# Altium PCB motor_42.PcbDoc (continued)
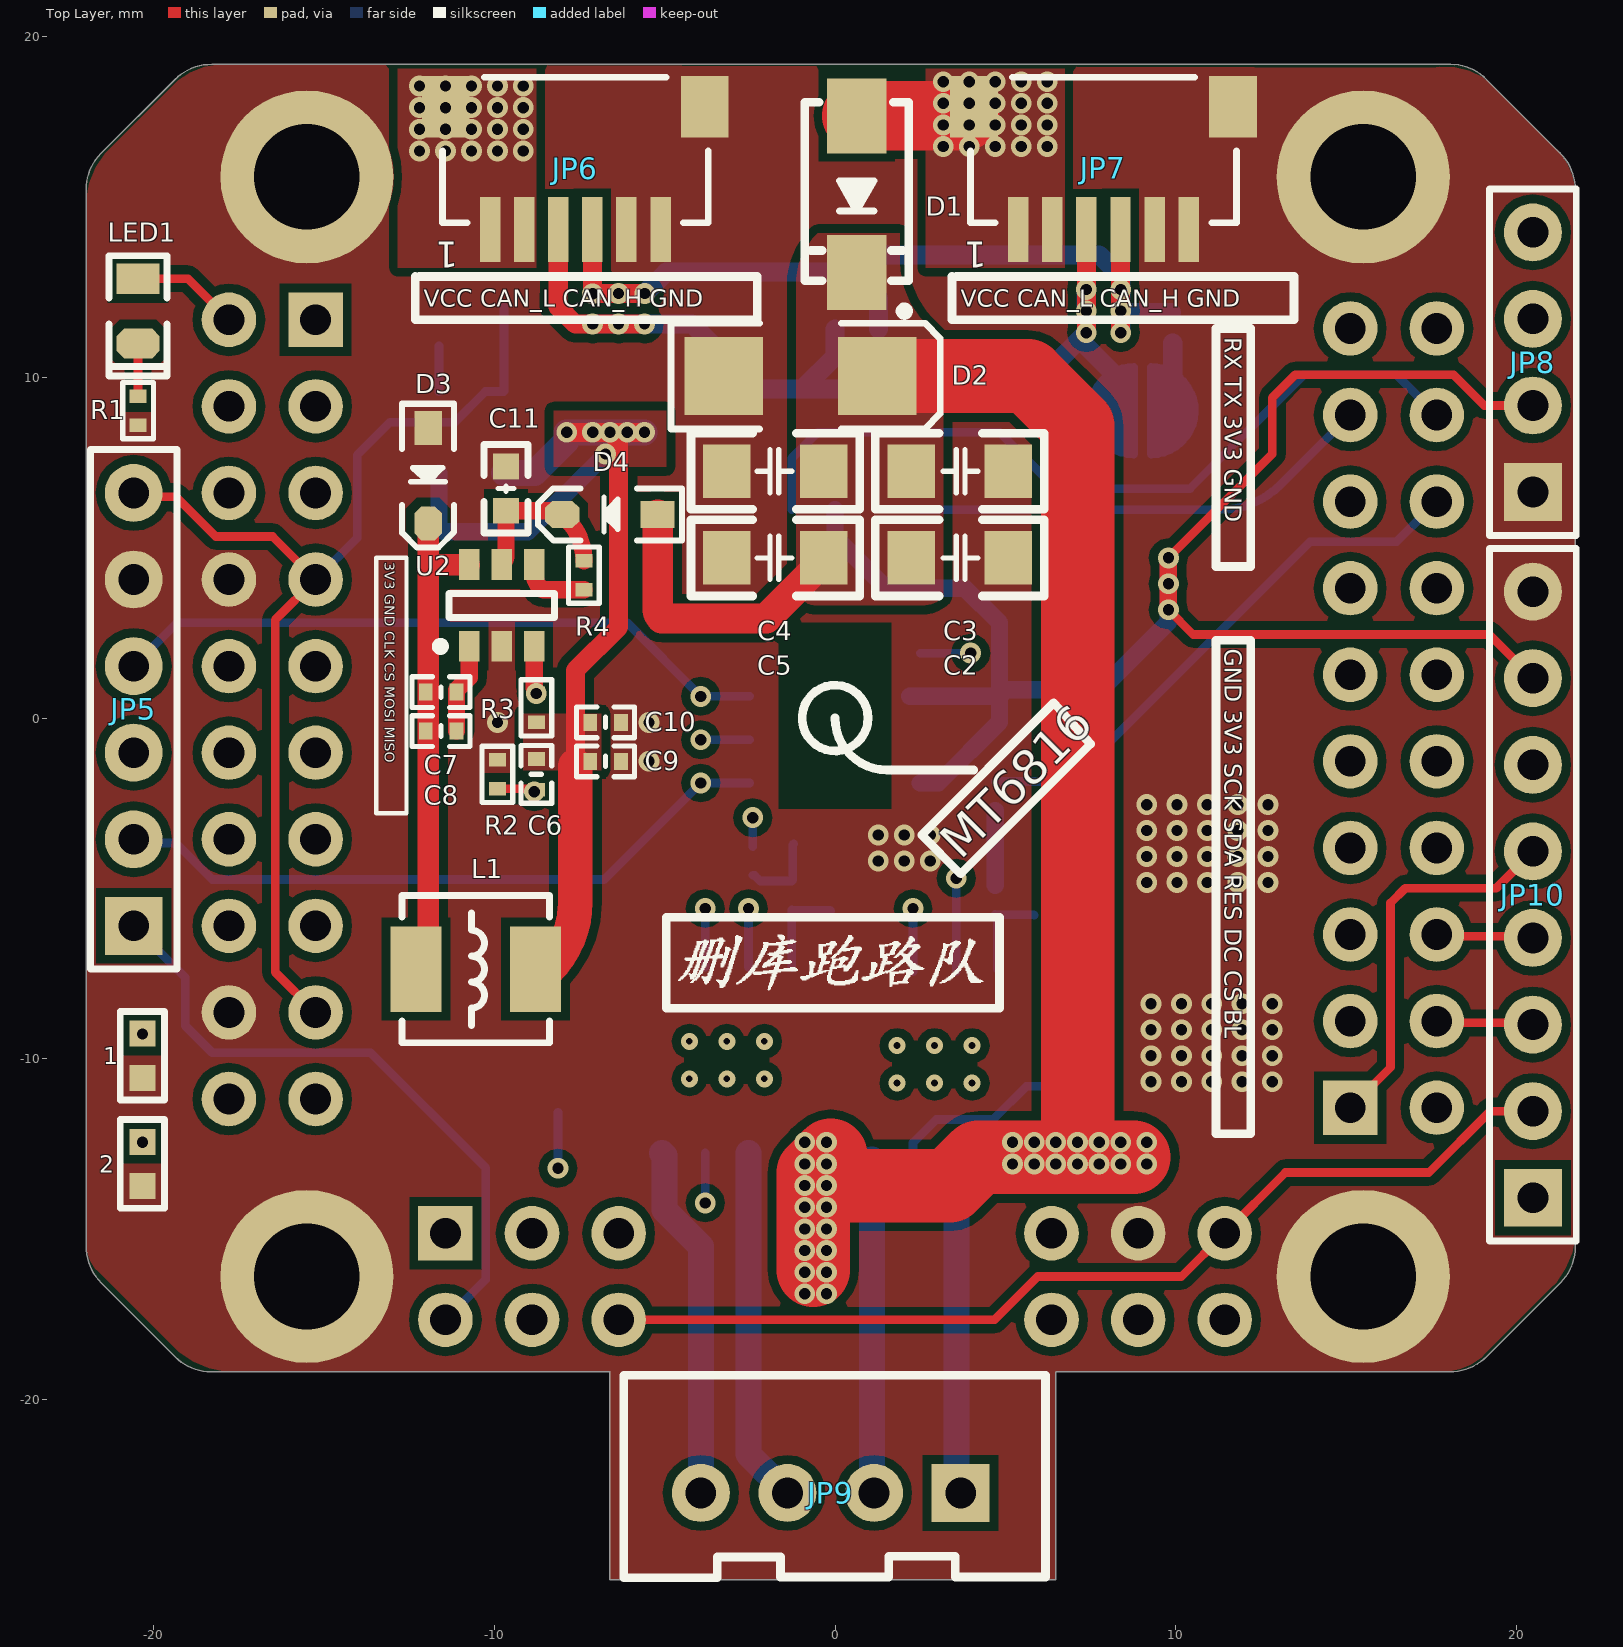
[diagram p0: Top Layer view]
## Design rules (kind name [scope] priority, off if disabled: settings)
Clearance [All] p1: gap=0.254 ignorepadtopadclearanceinfootprint=FALSE except(0: Arc-Hole Track-Hole SMDPad-Hole THPad-Hole Via-Hole Fill-Hole Poly-Hole Region-Hole Text-Hole)
PolygonConnect PolygonConnect_16 [All vs IsNamedPolygon('Signal2-GND')] p1: connectstyle=Direct reliefconductorwidth=0.254 reliefentries=4 polygonreliefangle="90 Angle" airgapwidth=0.254
PolygonConnect PolygonConnect_15 [All vs IsNamedPolygon('Top Layer-GND 1')] p2: connectstyle=Direct reliefconductorwidth=0.254 reliefentries=4 polygonreliefangle="90 Angle" airgapwidth=0.254
PolygonConnect PolygonConnect_14 [All vs IsNamedPolygon('Bottom Layer-GND')] p3: connectstyle=Direct reliefconductorwidth=0.254 reliefentries=4 polygonreliefangle="90 Angle" airgapwidth=0.254
PolygonConnect PolygonConnect_13 [All vs IsNamedPolygon('GND3-GND')] p4: connectstyle=Direct reliefconductorwidth=0.254 reliefentries=4 polygonreliefangle="90 Angle" airgapwidth=0.254
PolygonConnect PolygonConnect_12 [All vs IsNamedPolygon('Bottom Layer-VCC 1')] p5: connectstyle=Direct reliefconductorwidth=0.254 reliefentries=4 polygonreliefangle="90 Angle" airgapwidth=0.254
PolygonConnect PolygonConnect_11 [All vs IsNamedPolygon('Bottom Layer-VCC')] p6: connectstyle=Direct reliefconductorwidth=0.254 reliefentries=4 polygonreliefangle="90 Angle" airgapwidth=0.254
PolygonConnect PolygonConnect_10 [All vs IsNamedPolygon('Top Layer-5V 1')] p7: connectstyle=Direct reliefconductorwidth=0.254 reliefentries=4 polygonreliefangle="90 Angle" airgapwidth=0.254
PolygonConnect PolygonConnect_9 [All vs IsNamedPolygon('Top Layer-5V 1')] p8: connectstyle=Direct reliefconductorwidth=0.254 reliefentries=4 polygonreliefangle="90 Angle" airgapwidth=0.254
PolygonConnect PolygonConnect_8 [All vs IsNamedPolygon('Bottom Layer-VCC_IN')] p9: connectstyle=Direct reliefconductorwidth=0.254 reliefentries=4 polygonreliefangle="90 Angle" airgapwidth=0.254
PolygonConnect PolygonConnect_7 [All vs IsNamedPolygon('Top Layer-3V3')] p10: connectstyle=Direct reliefconductorwidth=0.254 reliefentries=4 polygonreliefangle="90 Angle" airgapwidth=0.254
PolygonConnect PolygonConnect_6 [All vs IsNamedPolygon('Top Layer-5V')] p11: connectstyle=Direct reliefconductorwidth=0.254 reliefentries=4 polygonreliefangle="90 Angle" airgapwidth=0.254
PolygonConnect PolygonConnect_5 [All vs IsNamedPolygon('Top Layer-GND 2')] p12: connectstyle=Direct reliefconductorwidth=0.254 reliefentries=4 polygonreliefangle="90 Angle" airgapwidth=0.254
PolygonConnect PolygonConnect_4 [All vs IsNamedPolygon('Top Layer-GND 1')] p13: connectstyle=Direct reliefconductorwidth=0.254 reliefentries=4 polygonreliefangle="90 Angle" airgapwidth=0.254
PolygonConnect PolygonConnect_3 [All vs IsNamedPolygon('VCC')] p14: connectstyle=Direct reliefconductorwidth=0.254 reliefentries=4 polygonreliefangle="90 Angle" airgapwidth=0.254
PolygonConnect PolygonConnect_2 [All vs IsNamedPolygon('GND3-GND')] p15: connectstyle=Direct reliefconductorwidth=0.254 reliefentries=4 polygonreliefangle="90 Angle" airgapwidth=0.254
PolygonConnect PolygonConnect_1 [All vs IsNamedPolygon('Top Layer-GND')] p16: connectstyle=Direct reliefconductorwidth=0.254 reliefentries=4 polygonreliefangle="90 Angle" airgapwidth=0.254
PolygonConnect [All] p17: connectstyle=Relief reliefconductorwidth=0.254 reliefentries=4 polygonreliefangle="90 Angle" airgapwidth=0.254
RoutingVias [All] p1: holewidth=0.711 width=1.27 viastyle="Through Hole" minholewidth=0.711 minwidth=1.27 maxholewidth=0.711 maxwidth=1.27
SolderMaskExpansion [All] p1: expansion=0.102
Width [All] p1: maxlimit=2.54 minlimit=0.254 preferedwidth=0.254
30 further rules are at their usual default settings.

## Components (designator, comment, footprint, x,y, rotation, side; value= is the part's Value field where it differs from the comment)
1 "0R" R0603_L -20.32,-9.906 r90 top (schematic designator R12(NC))
2 "0R" R0603_L -20.32,-13.081 r90 top (schematic designator R13NC)
C1 "0.1uF" C0805_L 6.858,1.778 r90 bottom
C2 "100uF" C1206_L 3.683,4.699 r180 top
C3 "100uF" C1206_L 3.683,7.239 r180 top
C4 "100uF" C1206_L -1.778,7.239 r0 top
C5 "100uF" C1206_L -1.778,4.699 r0 top
C6 "100pF" C0402_L -8.763,-1.651 r90 top
C7 "0.1uF" C0402_L -11.557,0.762 r0 top
C8 "0.1uF" C0402_L -11.557,-0.381 r0 top
C9 "0.1uF" C0402_L -6.731,-1.27 r0 top
C10 "10uF" C0402_L -6.731,-0.127 r180 top
C11 "10uF/50V" C0603_L -9.652,6.731 r270 top
C12 "0.1uF" C0402_L -10.16,10.922 r0 bottom
C13 "10uF" C0402_L -10.16,12.065 r0 bottom
C14 "10nF" C0402_L -12.065,10.922 r0 bottom
C15 "0.1uF" C0402_L -0.762,-3.683 r180 bottom
C16 "0.1uF" C0402_L -0.127,-5.207 r270 bottom
C17 "0.1uF" C0402_L 5.08,-3.81 r180 bottom
C18 "0.1uF" C0402_L 5.842,-5.334 r270 bottom
D1 "SS54" SMA 0.635,15.367 r270 top
D2 "SMBJ28CA" SMB -1.016,10.033 r0 top
D3 "二极管-5819W" SOD-323 -11.938,7.112 r270 top
D4 "二极管-5819W" SOD-323 -6.604,5.969 r180 top
DE1 "DEBUG PAD" DEBUG_A 9.017,9.017 r180 bottom
JP1 "Header 2X10" HDR2.54-LI-2x10P#1 -16.51,0.254 r270 bottom
JP2 "Header 2X10" HDR2.54-LI-2x10P#2 0,-16.383 r0 bottom
JP3 "Header 2X10" HDR2.54-LI-2x10P#1 16.383,0 r90 bottom
JP5 "HDR-1X6" HDR2.54-LI-6P -20.574,0.254 r90 top
JP6 "HDR-1X6" SH1.0-WT-6P -7.62,16.129 r180 top
JP7 "HDR-1X6" SH1.0-WT-6P 7.874,16.129 r180 top
JP8 "HDR-1X4" HDR2.54-LI-4P 20.472,10.439 r90 top
JP9 "HDR-1X4" XH2.54-LI-4P -0.127,-22.733 r180 top
JP10 "HDR-1X8" HDR2.54-M-LI-8P 20.472,-5.182 r90 top
L1 "6.8uH" L-SMD-0420 -10.541,-7.366 r0 top
LED1 "BLINK" LED0805_G -20.447,11.938 r270 top
R1 "1K" R0402_L -20.447,9.017 r270 top
R2 "1.8K" R0402_L -9.906,-1.651 r270 top
R3 "10K" R0402_L -8.763,0.298 r270 top
R4 "1M" R0402_L -7.366,4.191 r90 top
R5 "120R" R0402_L 9.906,11.43 r270 bottom
R6 "1K" R0402_L -2.413,-4.191 r270 bottom
R7 "1K" R0402_L -1.27,-5.207 r270 bottom
R8 "1K" R0402_L 4.699,-2.286 r270 bottom
R9 "1K" R0402_L 4.699,-5.334 r270 bottom
R10 "0.1R" R1206_L -8.128,-10.16 r90 bottom
R11 "0.1R" R1206_L 7.239,-9.398 r90 bottom
U1 "MT6816" SOP8_L 0,0 r180 bottom
U2 "ME3116" SOT23-6 -9.779,3.302 r90 top
U3 "LP2992" SOT23-5 -10.668,8.382 r90 bottom
U4 "SN65HVD232D" SOIC-8 0.635,8.763 r90 bottom
U5 "TB67H450FNG" HSOP-8 -3.175,-10.033 r270 bottom
U6 "TB67H450FNG" HSOP-8 2.921,-10.16 r270 bottom

## Footprints (in the part's own frame and the unit in brackets; to place one, negate y for a bottom-side part, rotate by r counter-clockwise, add the part's x,y. Pads: shape width x height; smd on the part's side, far side on the other; paste and mask are expansions set on the pad)
C0402_L [mm] "贴片MLCC电容"
  rect 0.4x0.5 smd: 1(-0.45,0) 2(0.45,0)
  silkscreen extent -0.85,-0.45 0.85,0.45, body extent -0.5,-0.26 0.5,0.26, height 0.54
C0603_L [mil] "贴片MLCC电容"
  rect 30x30 smd: 1(-25.59,0) 2(25.59,0)
  silkscreen extent -51,-26 51,26, body extent -31,-16 32,16, height 33
C0805_L [mil] "贴片MLCC电容"
  rect 35x50 smd: 1(-37.4,0) 2(37.4,0)
  silkscreen extent -67,-36 67,36, body extent -39,-24 39,24, height 22
C1206_L [mil] "贴片MLCC电容"
  rect 55x62 smd: 1(-55.12,0) 2(57.09,0)
  silkscreen extent -96,-44 98,44, body extent -63,-32 63,32, height 50
DEBUG_A [mm] "调试断点焊盘"
  round 1 smd paste-1: 1(-0.889,0) 2(0.889,0)
  Top Layer region: -0.254,1.27 -0.254,-1.27 -0.762,-1.143 -1.397,-0.508 -1.524,0.254 -1.27,0.762 -1.016,1.016 -0.508,1.27
  Top Layer region: 0.254,1.27 0.254,-1.27 0.762,-1.143 1.397,-0.508 1.524,0.254 1.27,0.762 1.016,1.016 0.508,1.27
  Top Layer lines w0.254: 0.889,1.1 cw(c0.254,0) 0.254,-1.27 0.254,1.27 cw(c0.254,0) 0.889,1.1 ; -0.254,-1.27 cw(c-0.254,0) -0.889,1.1 cw(c-0.254,0) -0.254,1.27 -0.254,-1.27
HDR2.54-LI-2x10P#1 [mm] "双排排针，10x2脚"
  rect 1.6x1.6 hole 0.9: 1(-11.43,-1.27)
  round 1.6 hole 0.9: 2(-11.43,1.27) 3(-8.89,-1.27) 4(-8.89,1.27) 5(-6.35,-1.27) 6(-6.35,1.27) 7(-3.81,-1.27) 8(-3.81,1.27) 9(-1.27,-1.27) 10(-1.27,1.27) 11(1.27,-1.27) 12(1.27,1.27) 13(3.81,-1.27) 14(3.81,1.27) 15(6.35,-1.27) 16(6.35,1.27) 17(8.89,-1.27) 18(8.89,1.27) 19(11.43,-1.27) 20(11.43,1.27)
  silkscreen extent -12.7,-2.54 12.7,2.54
HDR2.54-LI-2x10P#2 [mm] "双排排针，10x2脚"
  rect 1.6x1.6 hole 0.9: 1(-11.43,-1.27)
  round 1.6 hole 0.9: 2(-11.43,1.27) 3(-8.89,-1.27) 4(-8.89,1.27) 5(-6.35,-1.27) 6(-6.35,1.27) 15(6.35,-1.27) 16(6.35,1.27) 17(8.89,-1.27) 18(8.89,1.27) 19(11.43,-1.27) 20(11.43,1.27)
  silkscreen extent -12.7,-2.54 12.7,2.54
HDR2.54-LI-4P [mm] "排针，4脚"
  rect 1.7x1.7 hole 0.9: 1(-3.81,0)
  round 1.7 hole 0.9: 2(-1.27,0) 3(1.27,0) 4(3.81,0)
  silkscreen extent -5.08,-1.27 5.08,1.27
HDR2.54-LI-6P [mm] "排针，6脚                        联系卖家 免费查找封装"
  rect 1.7x1.7 hole 0.9: 1(-6.35,0)
  round 1.7 hole 0.9: 2(-3.81,0) 3(-1.27,0) 4(1.27,0) 5(3.81,0) 6(6.35,0)
  silkscreen extent -7.62,-1.27 7.62,1.27
HDR2.54-M-LI-8P [mm] "排母，8脚"
  rect 1.7x1.7 hole 0.9: 1(-8.89,0)
  round 1.7 hole 0.9: 2(-6.35,0) 3(-3.81,0) 4(-1.27,0) 5(1.27,0) 6(3.81,0) 7(6.35,0) 8(8.89,0)
  silkscreen extent -10.16,-1.27 10.16,1.27
HSOP-8 [mm] "SOP, 8-Leads, Body 4.90x3.90mm, Pitch 1.27mm, Thermal Pad 3.20x2.39mm, IPC Medium Density"
  oval 1.45x0.6 smd: 1(-2.725,1.905) 2(-2.725,0.635) 3(-2.725,-0.635) 4(-2.725,-1.905) 5(2.725,-1.905) 6(2.725,-0.635) 7(2.725,0.635) 8(2.725,1.905)
  rect 2.39x3.2 smd: 9(0,0)
  silkscreen extent -2.85,-2.5 1.6,2.88, body extent -2,-2.5 2,2.5, height 1.7
L-SMD-0420 [mm] "一体化成型电感                联系Â"
  rect 1.5x2.5 smd: 1(-1.75,0) 2(1.75,0)
  silkscreen extent -2.16,-2.16 2.16,2.16, body extent -2.25,-2.05 2.25,2.05
LED0805_G [mil] "绿色0805LED            联系卖家 免费查找封装"
  rect 35x50 smd: 1(-37.4,0)
  oct 35x50 smd: 2(37.4,0)
  silkscreen extent -64,-33 75,33, body extent -39,-25 39,25, height 32
R0402_L [mm] "1/16W贴片电阻"
  rect 0.4x0.5 smd: 1(-0.425,0) 2(0.425,0)
  silkscreen extent -0.82,-0.45 0.83,0.45, body extent -0.5,-0.25 0.5,0.25, height 0.3
R0603_L [mil] "1/10W贴片电阻"
  rect 30x30 smd: 1(-25.59,0) 2(25.59,0)
  silkscreen extent -51,-26 51,26, body extent -31,-16 32,16, height 16
R1206_L [mil] "1/4W贴片电阻"
  rect 55x62 smd: 1(-55.12,0) 2(57.09,0)
  silkscreen extent -96,-44 98,44, body extent -63,-31 63,31, height 22
SH1.0-WT-6P [mm] "SH1.0连接器-卧贴-6P                 联系卖家 免费查找封装"
  rect 1.4x1.8 smd: 0(-3.8,-1.8) 0(3.8,-1.8)
  rect 0.6x1.9 smd: 1(2.5,1.8) 2(1.5,1.8) 3(0.5,1.8) 4(-0.5,1.8) 5(-1.5,1.8) 6(-2.5,1.8)
  silkscreen extent -3.9,-2.67 3.9,1.6, body extent -4,-2.6 4,2.35, height 2.9
SMA [mm] "4.5x2.6*2.2mm（长宽高，不包括引脚）联系卖家 免费查找封装"
  rect 2.2x1.75 smd: 1(-2.3,0) 2(2.3,0)
  silkscreen extent -2.7,-1.52 3.56,1.52, body extent -2.55,-1.3 2.55,1.3, height 2.15
SMB [mm] "DO-214-AA/SMB; 2 C-Bend Leads; Body 5.3 x 3.6 mm, inc. leads (LxW)"
  rect 2.3x2.3 smd: 1(-2.25,0) 2(2.25,0)
  silkscreen extent -3.8,-1.55 4.1,1.55
SOD-323 [mm] "1.8x1.3X0.9mm（长宽高，不包括引脚）联系卖家 免费查找封装"
  rect 1x0.8 smd: 1(-1.4,0)
  oct 1x0.8 smd: 2(1.4,0)
  silkscreen extent -2.11,-0.76 2.11,0.76, body extent -1.32,-0.65 1.32,0.65, height 0.95
SOIC-8 [mm]
  oval 2.2x0.6 smd: 1(-2.654,1.905) 2(-2.654,0.635) 3(-2.654,-0.635) 4(-2.654,-1.905) 5(2.654,-1.905) 6(2.654,-0.635) 7(2.654,0.635) 8(2.654,1.905)
  silkscreen extent -2.06,-2.5 1.27,3.2, body extent -3,-2.5 3,2.5, height 1.9
SOP8_L [mil] "5*6*1.8mm（长宽高）"
  rect 65x23 smd: 1(-98.43,75)
  oval 65x23 smd: 2(-98.43,25) 3(-98.43,-25) 4(-98.43,-75) 5(98.43,-75) 6(98.43,-25) 7(98.43,25) 8(98.43,75)
  silkscreen extent -106,-98 60,126, body extent -118,-98 118,98, height 75
SOT23-5 [mm] "SOT23, 5-Leads, Body 2.9x1.6mm, Pitch 0.95mm, IPC Medium Density                联系卖家 免费查找封装"
  rect 1.05x0.6 smd: 1(-1.2,0.95) 2(-1.2,0) 3(-1.2,-0.95) 4(1.2,-0.95) 5(1.2,0.95)
  silkscreen extent -1.32,-1.55 0.3,1.93, body extent -1.4,-1.5 1.4,1.5, height 1.15
SOT23-6 [mm] "SOT-23, 6-Leads, Body 2.90x1.60mm, Pitch 0.95mm, IPC High Density"
  rect 0.9x0.6 smd: 1(-1.2,0.95) 2(-1.2,0) 3(-1.2,-0.95) 4(1.2,-0.95) 5(1.2,0) 6(1.2,0.95)
  silkscreen extent -1.32,-1.55 0.35,1.92, body extent -1.4,-1.5 1.4,1.5, height 1.15
XH2.54-LI-4P [mm] "接插件，4P"
  rect 1.7x1.7 hole 0.9: 1(-3.81,0)
  round 1.7 hole 0.9: 2(-1.27,0) 3(1.27,0) 4(3.81,0)
  silkscreen extent -6.3,-3.45 6.07,2.49, body extent -6.31,-3.3 6.31,2.4, height 7.05

## Part data
1 2 R1 R2 R3 R4 R5 R6 R7 R8 R9 R10 R11: library part R, "贴片电阻"
C1 C2 C3 C4 C5 C6 C7 C8 C9 C10 C12 C13 C14 C15 C16 C17 C18: library part C, "贴片电容/MLCC电容"
C11: library part C, "陶瓷电容"
D1: library part Diode_SMA, "Diode"
D3 D4: "40V"
DE1: library part DEBUG, "调试断点焊盘"
JP1 JP2 JP3: library part "Header 10X2", "10*2P接插件"
JP5: library part "Header 6", "6P接插件"
JP6 JP7: library part "Header 6", "6P连接器"
JP8 JP9: library part "Header 4", "4P接插件"
JP10: library part "Header 8", "8P接插件"
L1: library part "L-Molding Choke", "一体成型电感"
LED1: library part LED-SMD, "贴片LED"
U4: Manufacturer="Texas Instruments", Manufacturer Part Number=SN65HVD232DR, Operating Temperature="-40°C ~ 85?", Package / Case="8-SOIC (0.154\", 3.90mm Width)", Supplier Device Package=8-SOIC, Supplier Part Number 1=296-26344-2-ND, Voltage - Supply="3 V ~ 3.6 V", Category="Integrated Circuits (ICs)", ComponentLink1Description=http://www.ti.com/lit/ds/symlink/sn65hvd230.pdf, ComponentLink1URL=http://www.ti.com/lit/ds/symlink/sn65hvd230.pdf, Data Rate=1Mbps, Duplex=Half, Mounting Type="Surface Mount", Number of Drivers/Receivers=1/1, Packaging="Tape & Reel (TR)", Part Status=Active, Pricing 1="2500=0.84375 (USD)", Pricing 2="1=2.05, 10=1.842, 100=1.4809, 500=1.21668, 1000=1.00811 (USD)", Protocol=CAN, RoHS="RoHS Compliant", Stock=5000, Supplier 1=Digi-Key, Supplier 2=Digi-Key, Supplier Part Number 2=296-26344-1-ND, Type=Transceiver

## Free pads (board coordinates)
  round 5.08 hole 3.1: ""(-15.494,-16.383) ""(-15.494,15.875) ""(15.494,-16.383) ""(15.494,15.875)

## Via types
v1: diameter 0.61, hole 0.33, Top Layer to Bottom Layer, tented both sides, 155 vias
v2: diameter 0.5, hole 0.2, Top Layer to Bottom Layer, 12 vias

## Nets (pads, with @x,y where several pads share a name; then routed paths per layer and width w, separated by ;. In a path a pad name is that pad's centre, name@x,y a point inside that pad or via, vN(x,y) a via of type N, cw(c..) or ccw(c..) an arc to the next point about the centre after c; other vN are vias at no path point)
3V3: C1.1 C12.2 C13.2 JP1.7 JP1.17 JP5.6 JP8.2 JP10.7 U1.2 U1.4 U3.5 U4.3 | length 110
  Top Layer w0.254: JP5.6 -20.467,6.497 -19.343,6.497 -18.171,5.324 -16.5,5.324 JP1.7 -16.421,2.883 -16.421,-7.455 JP1.17 ; v1(9.779,3.175) 10.503,2.451 19.19,2.451 JP10.7 ; v1(9.779,4.699) 12.827,7.747 12.827,9.398 13.5,10.071 18.142,10.071 19.044,9.169 JP8.2
  Top Layer w0.508: v1(9.779,3.175) v1(9.779,3.937) v1(9.779,4.699)
  GND3 w0.762: JP1.7 -14.986,4.064 -13.462,5.588 3.302,5.588 4.953,3.937 v1(9.779,3.937) ; v1(9.779,3.175) v1(9.779,3.937) ; v1(9.779,4.699) v1(9.779,3.937)
  Bottom Layer w0.254: JP1.7 -14.021,5.283 -14.021,7.714 -13.059,8.676 -11.16,8.676 -10.254,9.582 U3.5 -9.714,9.586 -9.714,12.061 C13.2
  Bottom Layer w0.508: U4.3 0,5.309 1.499,3.81 3.81,3.81 4.826,2.794 4.826,0.635 ; U1.2@2.195,0.635 U1.2 4.826,0.635 ; U1.4 3.033,-1.905 4.826,-0.112 4.826,0.635 ; v1(9.779,4.699) v1(9.779,3.937) v1(9.779,3.175) 9.779,2.812 7.795,0.828 C1.1 5.019,0.828 4.826,0.635
5V: C6.2 C9.1 C10.2 L1.2 R3.2 U3.1 U3.3 | length 32.3
  Top Layer w0.559: L1.2 L1.2@-8.618,-7.193 ; v1(-7.874,8.382) v1(-7.112,8.382) v1(-6.604,8.382) ; -7.62,-1.397 -7.62,1.397 -6.35,2.667 -6.35,8.128 v1(-6.604,8.382) ; v1(-5.588,8.382) v1(-6.096,8.382) v1(-6.604,8.382)
  Top Layer w1.016: L1.2@-8.438,-7.373 ccw(c-10.414,-5.397) -7.62,-5.397 -7.62,-1.397
  Bottom Layer w0.508: U3.3 -11.618,5.61 -11.469,5.461 -9.017,5.461 v1(-6.731,7.747) v1(-6.096,8.382)
  Bottom Layer w0.762: U3.1 -8.82,7.182 -7.874,8.128 v1(-7.874,8.382) v1(-7.112,8.382) v1(-6.604,8.382) v1(-6.096,8.382) v1(-5.588,8.382)
BOOT1: JP2.5
BUTTON1: 1.2 JP1.16 | length 4.2
  Signal2 w0.254: v1(-20.32,-9.271) -20.32,-8.636 JP1.16
BUTTON2: 2.2 JP1.15 | length 9.4
  Signal2 w0.254: v1(-20.32,-12.446) -20.32,-10.795 -19.05,-9.525 -19.05,-8.236 -18.091,-7.277 -16.421,-7.277 JP1.15
CAN_H: JP6.4 JP7.4 R5.1 U4.7 | length 27.9
  Top Layer w0.254: v1@8.374,11.311 v1(8.382,11.303)
  Top Layer w0.559: JP6.4 v1@-7.12,12.454 ; v1(-7.112,12.446) v1@-7.12,12.454 ; v1(-5.58,12.454) v1(-6.35,12.454) v1@-7.12,12.454 ; v1@8.374,11.311 JP7.4
  Bottom Layer w0.254: v1(8.382,11.938) v1@8.424,11.896 ; R5.1@9.864,11.896 R5.1
  Bottom Layer w0.559: v1(-7.112,12.446) -7.108,12.45 -5.584,12.45 v1(-5.58,12.454) -4.953,13.081 0.508,13.081 ; U4.7 1.27,12.311 0.845,12.736 0.845,12.744 0.508,13.081 ; v1(8.382,11.303) v1(8.382,11.938) v1(8.382,12.573) 8.382,12.954 7.747,13.589 1.016,13.589 0.508,13.081 ; v1@8.424,11.896 R5.1@9.864,11.896
CAN_L: DE1.2 JP6.3 JP7.3 U4.6 | length 30
  Top Layer w0.254: v1(7.366,11.303) v1@7.374,11.311
  Top Layer w0.559: JP6.3 -8.12,12.454 -8.128,12.446 -8.128,12.065 -7.62,11.557 v1(-7.112,11.557) v1(-6.35,11.557) v1(-5.588,11.557) ; v1@7.374,11.311 JP7.3
  Bottom Layer w0.254: 7.366,10.911 v1(7.366,11.303) v1(7.366,11.938) ; DE1.2 8.128,10.117 8.128,10.149
  Bottom Layer w0.559: v1(-7.112,11.557) v1(-6.35,11.557) v1(-5.588,11.557) -4.191,11.557 -2.286,9.652 -0.965,9.652 ; U4.6 0,10.617 -0.965,9.652 ; 7.366,10.911 8.128,10.149 ; v1(7.366,11.303) 5.715,9.652 -0.965,9.652 ; v1(7.366,11.938) v1(7.366,12.573)
CAN_RX: JP3.18 U4.4 | length 23.3
  Bottom Layer w0.254: U4.4 -1.27,7.62 -0.508,8.382 4.826,8.382 6.477,6.731 10.414,6.731 13.754,10.071 16.472,10.071 JP3.18
CAN_TX: JP3.17 U4.1 | length 13.6
  Bottom Layer w0.254: U4.1 11.28,6.109 ccw(c11.28,8.649) 13.076,6.853 JP3.17
GND: 1.1 2.1 C1.2 C2.1 C3.1 C4.1 C5.1 C9.2 C10.1 C11.1 C12.1 C13.1 C14.1 C15.1 C16.1 C17.1 C18.1 D2.1 D3.1 JP1.8 JP1.18 JP2.17 JP5.5 JP6.0@-3.82,17.929 JP6.5 JP6.6 JP7.0@11.674,17.929 JP7.5 JP7.6 JP8.1 JP10.8 pad. R1.2 R2.1 R10.2 R11.2 U1.8 U2.2 U3.2 U4.2 U5.1 U6.1
  other v1: 9.271,-10.668 10.16,-10.668 11.049,-10.668 11.938,-10.668 12.827,-10.668 9.271,-9.906 10.16,-9.906 11.049,-9.906 11.938,-9.906 12.827,-9.906 9.271,-9.144 10.16,-9.144 11.049,-9.144 11.938,-9.144 12.827,-9.144 9.271,-8.382 10.16,-8.382 11.049,-8.382 11.938,-8.382 12.827,-8.382 9.144,-4.826 10.033,-4.826 10.922,-4.826 11.811,-4.826 12.7,-4.826 1.27,-4.191 2.032,-4.191 2.794,-4.191 9.144,-4.064 10.033,-4.064 10.922,-4.064 11.811,-4.064 12.7,-4.064 1.27,-3.429 2.032,-3.429 2.794,-3.429 9.144,-3.302 10.033,-3.302 10.922,-3.302 11.811,-3.302 12.7,-3.302 9.144,-2.54 10.033,-2.54 10.922,-2.54 11.811,-2.54 12.7,-2.54 -5.461,-1.27 -9.906,-0.127 -5.461,-0.127
IN_AM: JP3.3 U5.2 | length 22.5
  Signal2 w0.254: v1(-3.81,-5.588) -3.81,-6.35 -2.794,-7.366 13.589,-7.366 JP3.3
  Bottom Layer w0.254: U5.2 v1(-3.81,-5.588)
IN_AP: JP3.5 U5.3 | length 19.7
  Signal2 w0.254: v1(-2.54,-5.588) -1.778,-6.35 JP3.5
  Bottom Layer w0.254: U5.3 v1(-2.54,-5.588)
IN_BM: JP3.7 U6.2 | length 15.4
  Signal2 w0.254: v1(2.286,-5.588) 13.335,-5.588 JP3.7
  Bottom Layer w0.254: U6.2 v1(2.286,-5.588)
IN_BP: JP3.9 U6.3 | length 15.8
  Signal2 w0.254: v1(3.556,-4.699) 4.826,-4.699 8.255,-1.27 JP3.9
  Bottom Layer w0.254: U6.3 v1(3.556,-4.699) v1@3.556,-4.572
MT_CLK: JP1.19 JP5.4 U1.7 | length 38.2
  Signal2 w0.254: JP1.19 -14.478,-11.176 -9.509,-6.207 -9.509,-1.877 -6.997,0.635 v1(-3.937,0.635)
  Bottom Layer w0.254: JP5.4 -19.304,2.794 -6.096,2.794 v1(-3.937,0.635) U1.7
MT_CS: JP1.20 JP5.3 U1.1 | length 43.5
  Signal2 w0.254: JP5.3 -19.393,-2.197 -10.535,-2.197 ; JP1.20 -16.599,-9.995 -14.313,-9.995 -12.446,-8.128 -12.446,-4.108 -10.535,-2.197 ; v1(3.977,1.905) 1.564,4.318 -4.032,4.318 -10.535,-2.185 -10.535,-2.197
  Bottom Layer w0.254: U1.1 v1(3.977,1.905)
MT_MISO: JP2.2 JP5.1 U1.6 | length 41.2
  Signal2 w0.254: JP2.2 -10.095,-16.318 -10.095,-10.73 -3.251,-3.886 -3.251,-1.321 v1(-3.937,-0.635)
  Bottom Layer w0.254: JP5.1 -19.06,-7.61 -19.06,-9.026 -18.269,-9.817 -13.627,-9.817 -10.249,-13.195 -10.249,-16.472 JP2.2 ; v1(-3.937,-0.635) U1.6
MT_MOSI: JP2.1 JP5.2 U1.5 | length 36
  Signal2 w0.254: JP2.1 -11.43,-10.97 -3.937,-3.477 v1(-3.937,-1.905)
  Bottom Layer w0.254: JP5.2 -20.467,-3.663 -19.343,-3.663 -18.269,-4.737 -6.769,-4.737 v1(-3.937,-1.905) U1.5
NetC6_1: C6.1 R2.2 R3.1 U2.3 | length 5.5
  Top Layer w0.254: R2.2 -8.823,-2.076 cw(c-8.823,-2.161) C6.1 ; R3.1@-8.829,0.882 ccw(c-8.604,0.882) v1(-8.763,0.723)
  Top Layer w0.508: R3.1@-8.829,0.882 U2.3
  GND3 w0.254: v1(-8.823,-2.161) -8.793,-2.131 -8.793,0.693 v1(-8.763,0.723)
NetC7_1: C7.1 C8.1 D3.2 L1.1 U2.6 | length 14.5
  Top Layer w0.635: L1.1 -11.938,-7.013 -11.938,4.572 ; D3.2 -11.938,4.572 ; U2.6 -11.769,4.502 cw(c-11.769,4.741) -11.938,4.572
NetC7_2: C7.2 C8.2 U2.1 | length 2.6
  Top Layer w0.508: C8.2 C7.2 -11.107,0.812 -10.729,1.19 U2.1
NetC11_2: C11.2 D4.2 R4.2 U2.5 | length 4.8
  Top Layer w0.508: U2.5 ccw(c-10.085,4.808) -9.652,4.808 C11.2 -8.275,6.081 cw(c-8.275,5.698) D4.2 -7.872,5.837 cw(c-9.092,4.616) R4.2
NetC14_2: C14.2 U3.4 | length 1.3
  Bottom Layer w0.254: U3.4 -11.617,9.583 C14.2@-11.617,10.921 ; C14.2@-11.618,10.919 C14.2@-11.617,10.921 ; C14.2 C14.2@-11.617,10.921
NetC15_2: C15.2 R6.2 R7.1 | length 2.3
  Bottom Layer w0.254: R6.2 -2.363,-4.616 -2.197,-4.782 R7.1 -1.241,-4.753 -1.241,-3.712 C15.2
NetC17_2: C17.2 R8.2 R9.1 | length 2.2
  Bottom Layer w0.508: R9.1 R8.2
NetDE1_1: DE1.1 R5.2 | length 2
  Bottom Layer w0.254: DE1.1 9.906,10.117
  Bottom Layer w0.559: 9.906,10.117 R5.2
NetLED1_2: LED1.2 R1.1 | length 1.5
  Top Layer w0.254: R1.1 LED1.2
NetR4_1: R4.1 U2.4 | length 2
  Top Layer w0.508: U2.4 -8.829,4.276 ccw(c-8.17,4.276) -8.636,3.81 ccw(c-8.53,3.916) -8.53,3.766 R4.1
NetR10_1: R10.1 U5.7 | length 7.9
  Signal2 w0.254: v1(-8.128,-13.208) -6.477,-13.208 -5.461,-14.224 v1(-3.81,-14.224)
  Bottom Layer w0.254: v1(-8.128,-13.208) R10.1 ; v1(-3.81,-14.224) U5.7
NetR11_1: R11.1 U6.7 | length 6.1
  Bottom Layer w0.254: U6.7 2.286,-12.46 2.967,-11.779 4.636,-11.779 5.617,-10.798 R11.1
OUT_A+: JP9.3 U5.6 | length 10.4
  Bottom Layer w0.762: U5.6 -2.54,-21.59 JP9.3
OUT_A-: JP9.4 U5.8 | length 10.4
  Bottom Layer w0.762: U5.8 -4.999,-12.839 -4.999,-14.435 -3.937,-15.497 JP9.4
OUT_B+: JP9.1 U6.6 | length 9.9
  Bottom Layer w0.254: JP9.1@3.556,-22.606 JP9.1
  Bottom Layer w0.762: JP9.1@3.556,-22.606 U6.6
OUT_B-: JP9.2 U6.8 | length 9.9
  Bottom Layer w0.254: U6.8 U6.8@1.079,-12.948 ; JP9.2@1.079,-22.669 JP9.2
  Bottom Layer w0.762: JP9.2@1.079,-22.669 U6.8@1.079,-12.948
PA0: JP1.14 R6.1 | length 16.9
  GND3 w0.254: JP1.14 -16.599,-2.375 -9.645,-2.375 -9.099,-2.921 v1(-2.413,-2.921)
  Bottom Layer w0.254: R6.1 v1(-2.413,-2.921)
PA1: JP1.13
PA8: JP3.16 R8.1 | length 16.4
  Bottom Layer w0.254: R8.1 6.902,-1.861 13.932,5.169 16.472,5.169 JP3.16
PA9: JP3.13 JP8.3 | length 11.1
  Signal2 w0.254: JP3.13 16.312,5.009 17.982,5.009 18.923,5.95 18.923,10.16 JP8.3
PA10: JP3.15 JP8.4 | length 10.6
  Signal2 w0.254: JP3.15 16.356,7.593 16.356,9.263 17.342,10.249 18.142,10.249 19.08,11.187 19.08,12.857 JP8.4
PA14: JP3.19
PA15: JP3.20
PB0: JP2.3
PB10: JP2.15
PB11: JP2.18
PB12: JP2.6 JP2.19 JP10.2 | length 29.4
  Top Layer w0.254: JP2.6 4.68,-17.653 5.95,-16.383 10.16,-16.383 JP2.19 13.211,-13.332 17.421,-13.332 19.222,-11.532 JP10.2
PB13: JP2.20 JP10.6 | length 25.1
  Signal2 w0.254: JP2.20 10.249,-16.472 10.249,-14.008 10.84,-13.417 15.265,-13.417 16.294,-12.388 16.294,-3.01 16.853,-2.451 18.142,-2.451 19.222,-1.372 JP10.6
PB14: JP3.2
PB15: JP3.1 JP10.5 | length 11.3
  Top Layer w0.254: JP3.1 16.294,-10.249 16.294,-5.423 16.726,-4.991 19.393,-4.991 JP10.5
PC0: JP1.10
PC1: JP1.9
PC2: JP1.12
PC3: JP1.11
PC5: JP2.4
PC6: JP3.12
PC7: JP3.11
PC8: JP3.14
PC13: JP1.5
PD8: JP3.4 JP10.3 | length 2.9
  Top Layer w0.254: JP3.4 17.704,-8.941 20.422,-8.941 JP10.3
PD10: JP3.6 JP10.4 | length 2.9
  Top Layer w0.254: JP3.6 17.704,-6.401 20.422,-6.401 JP10.4
PD12: JP3.8 JP10.1 | length 11.4
  Signal2 w0.254: JP3.8 19.05,-5.207 19.05,-12.649 JP10.1
PD14: JP3.10
PE2: JP1.2 LED1.1 | length 3.2
  Top Layer w0.254: LED1.1 -18.984,12.888 JP1.2
PE3: JP1.1
PE4: JP1.4
PE5: JP1.3
PE6: JP1.6
PE7: 
PE8: 
PE9: 
PE10: 
PE11: 
PE12: 
PE13: 
PE14: 
PE15: JP2.16
VCC: C2.2 C3.2 C4.2 C5.2 D1.2 D2.2 D4.1 U5.5 U6.5 | length 49.9
  Top Layer w0.889: D4.1 -5.204,3.22 ccw(c-4.781,3.22) -5.08,2.921 -2.017,2.921 -0.328,4.61 C5.2
  Top Layer w2.159: v1@-0.635,-16.192 v1@-0.635,-13.716 ; v1@-0.127,-12.827 -0.635,-13.335 v1@-0.635,-13.716 ; D2.2 5.661,10.033 7.115,8.579 7.115,-12.755 v1@6.985,-12.885 ; 8.763,-12.885 v1@6.985,-12.885 ; v1@-0.635,-13.716 3.365,-13.716 4.197,-12.885 v1@6.985,-12.885
  other v1: -0.889,-16.891 -0.254,-16.891 -0.889,-16.256 -0.254,-16.256 -0.889,-15.621 -0.254,-15.621 -0.889,-14.986 -0.254,-14.986 -0.889,-14.351 -0.254,-14.351 -0.889,-13.716 -0.254,-13.716 -0.889,-13.081 -0.254,-13.081 5.207,-13.081 5.842,-13.081 6.477,-13.081 7.112,-13.081 7.747,-13.081 8.382,-13.081 9.144,-13.081 -0.889,-12.446 -0.254,-12.446 5.207,-12.446 5.842,-12.446 6.477,-12.446 7.112,-12.446 7.747,-12.446 8.382,-12.446 9.144,-12.446
VCC_IN: D1.1 JP6.0@-11.42,17.929 JP6.1 JP6.2 JP7.0@4.074,17.929 JP7.1 JP7.2 | length 3.5
  Top Layer w0.254: JP7.0@3.812,17.667 JP7.0@4.074,17.929
  Top Layer w2.032: D1.1 JP7.0@3.812,17.667
  other v1: -12.192,16.637 -11.43,16.637 -10.668,16.637 -9.906,16.637 -9.144,16.637 3.175,16.764 3.937,16.764 4.699,16.764 5.461,16.764 6.223,16.764 -12.192,17.272 -11.43,17.272 -10.668,17.272 -9.906,17.272 -9.144,17.272 3.175,17.399 3.937,17.399 4.699,17.399 5.461,17.399 6.223,17.399 -12.192,17.907 -11.43,17.907 -10.668,17.907 -9.906,17.907 -9.144,17.907 3.175,18.034 3.937,18.034 4.699,18.034 5.461,18.034 6.223,18.034 -12.192,18.542 -11.43,18.542 -10.668,18.542 -9.906,18.542 -9.144,18.542 3.175,18.669 3.937,18.669 4.699,18.669 5.461,18.669 6.223,18.669
VREF_A: C16.2 R7.2 U5.4 | length 2.8
  Bottom Layer w0.254: U5.4 R7.2 -1.258,-5.644 -0.139,-5.644 C16.2
VREF_B: C18.2 R9.2 U6.4 | length 2.9
  Bottom Layer w0.254: R9.2 R9.2@4.711,-5.771 ; U6.4 4.763,-7.371 4.763,-5.823 R9.2@4.711,-5.771 ; C18.2 5.83,-5.771 R9.2@4.711,-5.771
pads on no net: U1.3 U4.5 U4.8 U5.9 U6.9
copper on no net:
  other v2: 1.821,-10.71 2.921,-10.71 4.021,-10.71 -4.275,-10.583 -3.175,-10.583 -2.075,-10.583 1.821,-9.61 2.921,-9.61 4.021,-9.61 -4.275,-9.483 -3.175,-9.483 -2.075,-9.483

## Polygon pours and split planes (outlines as drawn)
GND on Top Layer "Top Layer-GND 1" (solid, pour order 40): -17.826,19.175 ccw(c-17.907,17.031) -19.425,18.548 -21.227,16.746 ccw(c-19.431,14.95) -21.971,14.95 -21.971,-15.367 ccw(c-20.745,-15.367) -21.612,-16.234 -19.413,-18.433 ccw(c-17.617,-16.637) -17.617,-19.177 -6.604,-19.177 -6.604,-25.273 6.477,-25.273 6.477,-19.177 17.78,-19.177 ccw(c17.78,-17.337) 19.081,-18.638 20.973,-16.746 ccw(c19.177,-14.95) 21.717,-14.95 21.717,15.24 ccw(c19.571,15.24) 21.088,16.758 19.177,18.669 ccw(c17.861,16.877) 17.517,19.073
5V on Top Layer "Top Layer-5V 1" (solid, pour order 28): -8.255,9.017 -4.953,9.017 -4.953,7.366 -8.255,7.366
5V on Top Layer "Top Layer-5V" (solid, pour order 20): -9.144,0.127 -9.144,-1.524 -6.858,-1.524 -6.858,0.127
VCC on Top Layer "VCC" (solid, pour order 14): -0.508,14.224 ccw(c1.025,12.691) -1.143,12.691 -1.143,4.042 ccw(c-0.276,4.042) -0.889,3.429 ccw(c-0.582,3.736) -0.582,3.302 2.562,3.302 ccw(c2.562,4.169) 3.175,3.556 3.175,11.049 2.649,11.575 cw(c4.445,13.371) 1.905,13.371 1.905,14.224
no net on Top Layer "Top Layer-No Net" (solid, pour order 12): 2.667,19.05
no net on Top Layer "Top Layer-No Net 1" (solid, pour order 10): 3.937,19.05
GND on Top Layer "Top Layer-GND" (solid, pour order 6): 9.017,19.05 13.081,19.05 13.081,13.208 9.017,13.208
VCC_IN on Top Layer "Top Layer-GND" (solid, pour order 4): 2.667,19.05 6.731,19.05 6.731,13.208 2.667,13.208
VCC_IN on Top Layer "Top Layer-GND" (solid, pour order 2): -12.827,19.05 -8.763,19.05 -8.763,13.208 -12.827,13.208
GND on Top Layer "Top Layer-GND" (solid, pour order 0): -6.477,19.05 -2.413,19.05 -2.413,13.208 -6.477,13.208
GND on Bottom Layer "Bottom Layer-GND" (solid, pour order 38): -17.907,19.177 ccw(c-17.907,17.337) -19.208,18.638 -21.227,16.619 ccw(c-19.431,14.823) -21.971,14.823 -21.971,-15.113 ccw(c-19.825,-15.113) -21.342,-16.631 -19.54,-18.433 ccw(c-17.744,-16.637) -17.744,-19.177 -6.604,-19.177 -6.604,-25.273 6.477,-25.273 6.477,-19.177 17.526,-19.177 ccw(c17.526,-16.724) 19.26,-18.459 20.973,-16.746 ccw(c19.177,-14.95) 21.717,-14.95 21.717,15.494 ccw(c20.491,15.494) 21.358,16.361 19.286,18.433 ccw(c17.49,16.637) 17.49,19.177
VCC on Bottom Layer "Bottom Layer-VCC 1" (solid, pour order 32): -1.651,-12.065 -1.651,-17.272 0.127,-17.272 0.127,-12.065
VCC on Bottom Layer "Bottom Layer-VCC" (solid, pour order 30): 4.445,-12.192 9.779,-12.192 9.779,-13.716 4.445,-13.716
VCC_IN on Bottom Layer "Bottom Layer-VCC_IN" (solid, pour order 24): -12.7,19.177 -12.7,16.256 6.731,16.256 6.731,19.177
GND on GND3 "GND3-GND" (solid, pour order 34): -18.034,19.177 ccw(c-18.034,17.951) -18.901,18.818 -21.227,16.492 ccw(c-19.431,14.696) -21.971,14.696 -21.971,-15.113 ccw(c-20.745,-15.113) -21.612,-15.98 -19.159,-18.433 ccw(c-17.363,-16.637) -17.363,-19.177 18.183,-19.177 ccw(c18.183,-18.31) 18.796,-18.923 21.246,-16.473 ccw(c21.029,-16.256) 21.336,-16.256 ccw(c20.416,-15.336) 21.717,-15.336 21.717,15.367 ccw(c19.877,15.367) 21.178,16.668 19.413,18.433 ccw(c17.617,16.637) 17.617,19.177
GND on Signal2 "Signal2-GND" (solid, pour order 42): -17.78,19.177 ccw(c-17.78,16.724) -19.514,18.459 -21.844,16.129 ccw(c-21.537,15.822) -21.971,15.822 -21.971,-15.367 ccw(c-20.438,-15.367) -21.522,-16.451 -19.54,-18.433 ccw(c-17.744,-16.637) -17.744,-19.177 -6.604,-19.177 -6.604,-25.4 6.477,-25.4 6.477,-19.177 17.617,-19.177 ccw(c17.617,-16.637) 19.413,-18.433 20.973,-16.873 ccw(c19.177,-15.077) 21.717,-15.077 21.717,15.367 ccw(c20.184,15.367) 21.268,16.451 19.286,18.433 ccw(c17.49,16.637) 17.49,19.177

## Other copper
Multi-Layer:
  pour cut-out: -1.651,2.794 -1.651,-2.667 1.651,-2.667 1.651,2.794

## Silkscreen, mask and mechanical layers (free items; w line width, h text height)
Top Overlay:
  drawing of 925 lines, arcs and shapes, not listed
  text "VCC CAN_L CAN_H GND" at -12.065,12.065 h0.51
  text "VCC CAN_L CAN_H GND" at 3.683,12.065 h0.51
  text "RX TX 3V3 GND" at 11.43,11.176 h0.51 r270
  text "3V3 GND CLK CS MOSI MISO" at -13.208,4.572 h0.3 r270
  text "GND 3V3 SCK SDA RES DC CS BL" at 11.43,2.032 h0.51 r270
  text "MT6816" at 3.683,-4.191 h1.02 r45
Mechanical 1:
  lines w0.254: -18.313,-19.177 cw(c-18.313,-17.705) -19.354,-18.746 -21.522,-16.578 cw(c-20.438,-15.494) -21.971,-15.494 -21.971,15.519 cw(c-20.499,15.519) -21.54,16.56 -19.372,18.728 cw(c-18.288,17.644) -18.288,19.177 18.059,19.177 cw(c18.059,17.705) 19.1,18.746 21.268,16.578 cw(c20.184,15.494) 21.717,15.494 ; -18.288,-19.177 -6.604,-19.177 -6.604,-25.273 ; -6.523,-25.273 6.477,-25.273 6.477,-19.177 18.034,-19.177 ccw(c18.034,-17.644) 19.118,-18.728 21.286,-16.56 ccw(c20.245,-15.519) 21.717,-15.519 ; 21.717,-15.494 21.717,15.519

## Text inside footprints (layer, text, board x,y; h text height)
JP6: Top Overlay "1" at -11.049,13.97 h0.76 r180
JP7: Top Overlay "1" at 4.445,13.97 h0.76 r180